# Altium PCB PicoPrint.PcbDoc (part 3 of 3) (continued)
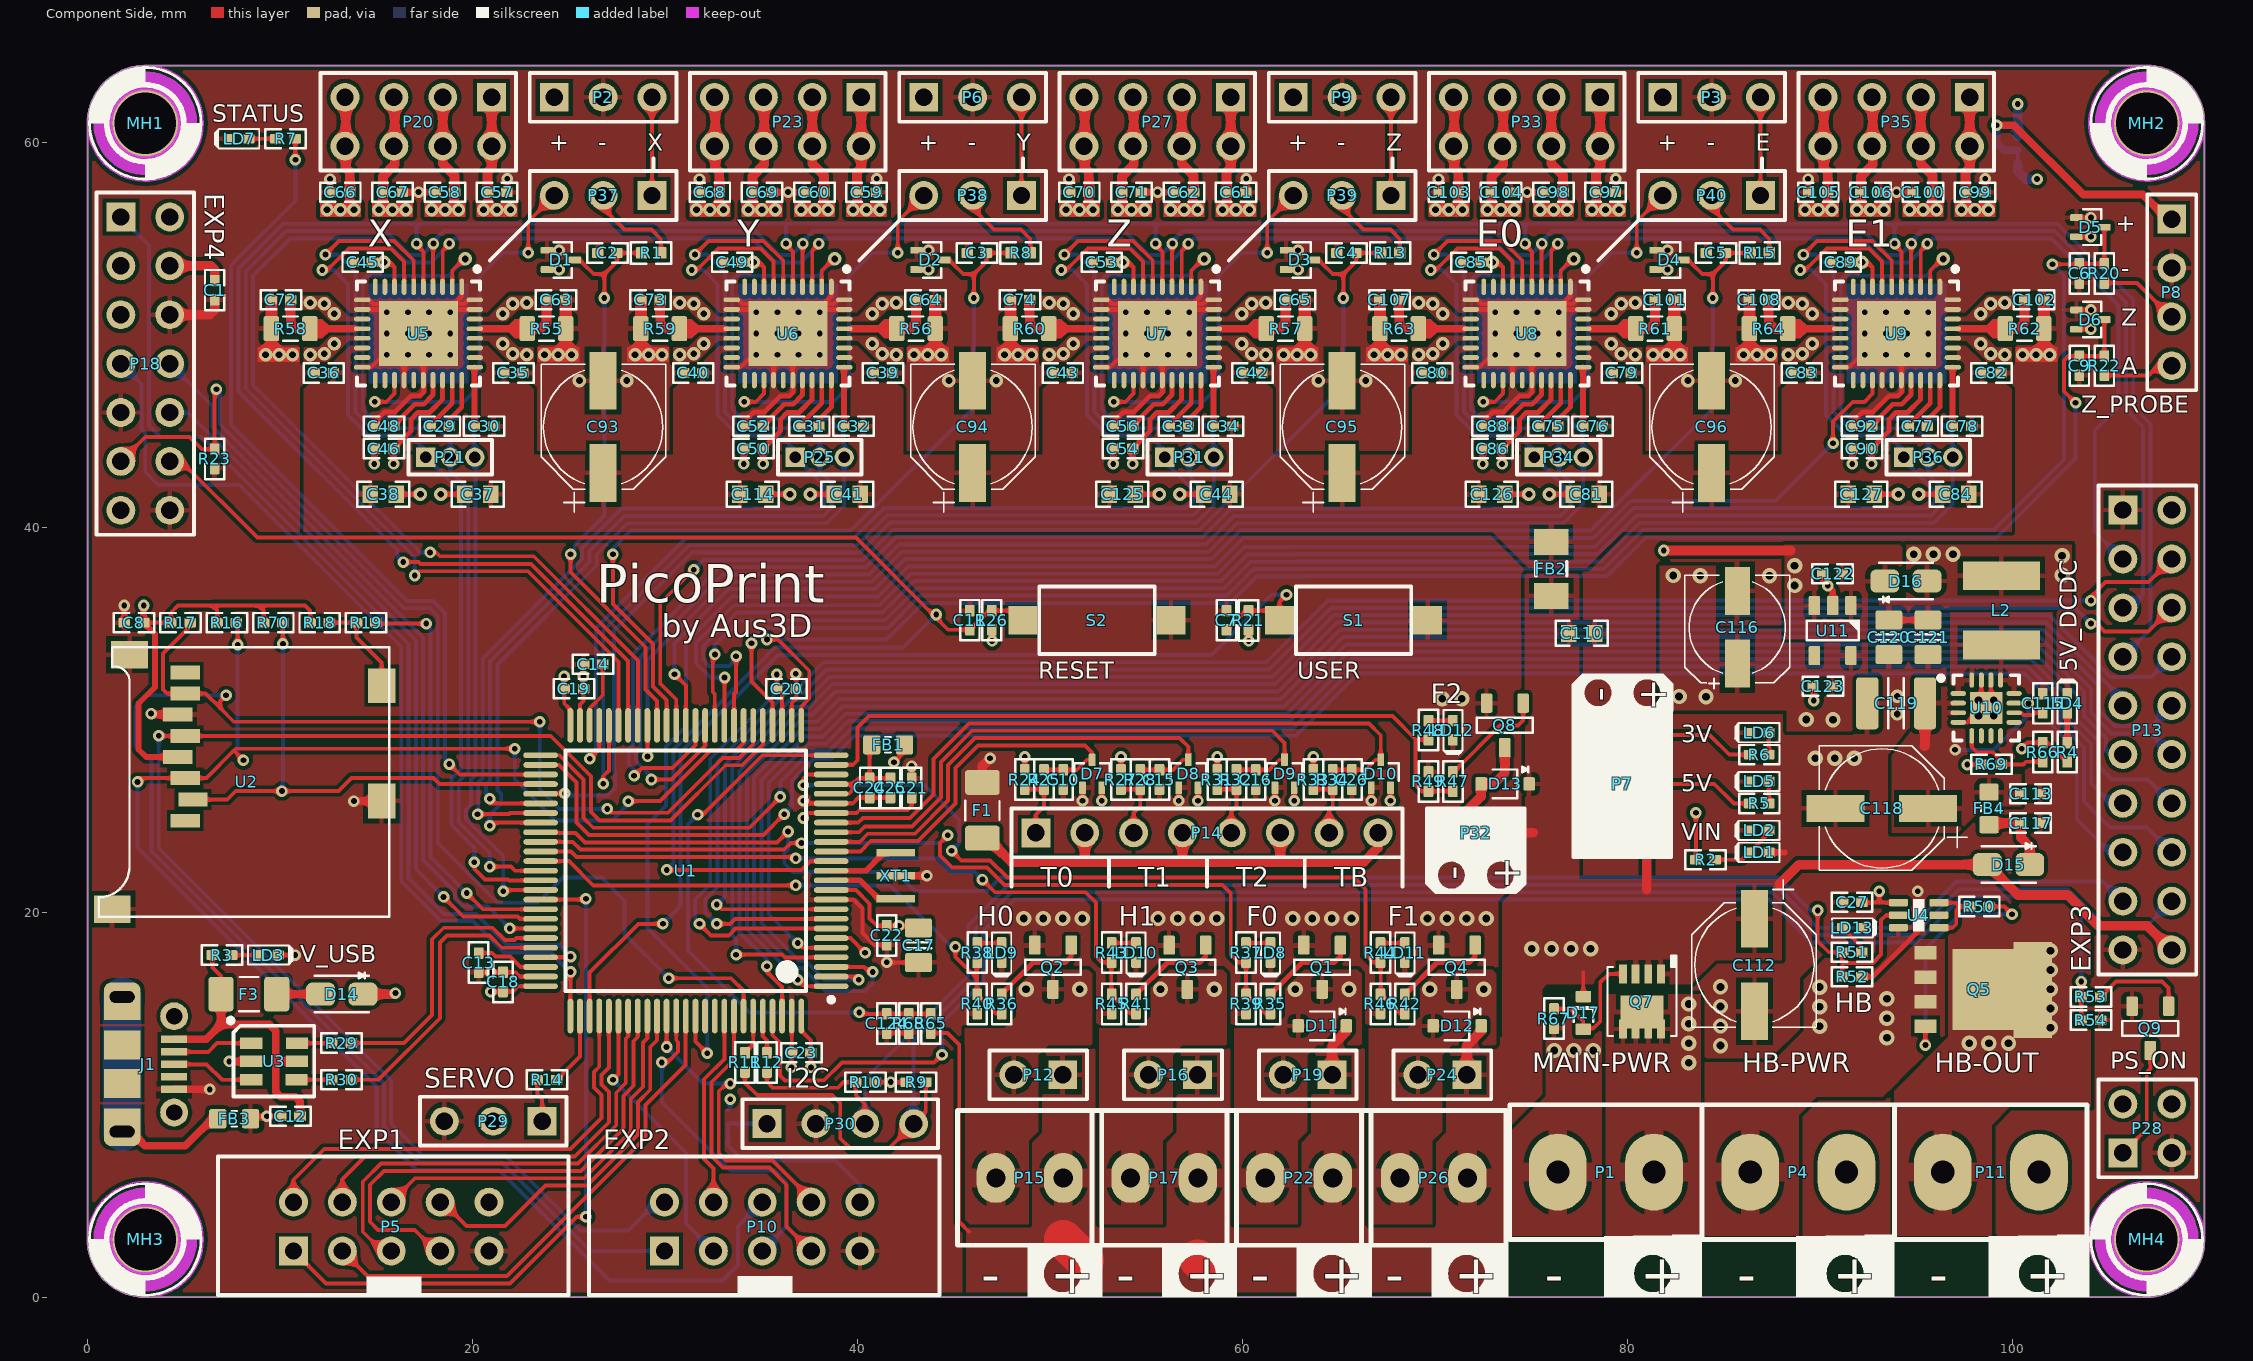
[diagram p0: Component Side view]
## Nets (pads, with @x,y where several pads share a name; then routed paths per layer and width w, separated by ;. In a path a pad name is that pad's centre, name@x,y a point inside that pad or via, vN(x,y) a via of type N, cw(c..) or ccw(c..) an arc to the next point about the centre after c; other vN are vias at no path point) (continued)
copper on no net: | length 0.7
  Solder Side w0.2: 100.3,58.9 100.3,59.6

## Polygon pours and split planes (outlines as drawn)
+5V on Power Plane "+5V_L03_P824" (solid, pour order 828): 94.3,40.8 88.2,40.8 88.2,31.1 94.3,31.1
+5V_DCDC on Power Plane "+5V_DCDC_L03_P822" (solid, pour order 826): 94.5,39.1 94.5,35.8 103.1,35.8 103.1,39.1
V_BED on Power Plane "V_BED_L03_P802" (solid, pour order 804): 88.915,10.026 93.868,10.026 93.868,4.438 94.503,3.803 98.44,3.803 99.075,4.438 99.075,10.026 103.774,10.026 103.774,0 88.915,0
+3V3 on Power Plane "+3V3_L03_P826" (solid, pour order 830): 0,0 0,64 110,64 110,0
HEATED_BED on Power Plane "HEATED_BED_L01_P806" (solid, remove dead copper, pour order 816): 88.915,25.541 88.915,3.168 99.075,3.168 98.948,3.295 98.948,10 104,10 104,25.541
GND on Component Side "GND_L01_P816" (solid, pour order 1026): 0,0 0,64 110,64 110,0
V_MOT on Component Side "V_MOT_L01_P1024" (solid, pour order 1024): 11.225,43.775 11.225,39.775 99.975,39.775 99.975,43.775
V_MOT on Component Side "V_MOT_L01_P960" (solid, pour order 960): 20.358,49.45 20.9,49.45 23.175,47.175 23.175,39.875 20.358,39.875
V_MOT on Component Side "V_MOT_L01_P862" (solid, pour order 862): 14.475,49.45 13.5,49.45 11.225,47.175 11.225,39.875 14.5,39.875
X_MOT_2B on Component Side "X_MOT_2B_L01_P860" (solid, pour order 860): 14.1,49.95 12.625,49.95 12.025,49.35 11.225,49.35 11.225,48.6 12.475,48.6 13.575,49.7 14.1,49.7
X_MOT_2A on Component Side "X_MOT_2A_L01_P850" (solid, pour order 850): 14.1,50.7 12.625,50.7 12.025,51.3 11.15,51.3 11.15,52.05 12.475,52.05 13.575,50.95 14.1,50.95
X_MOT_1B on Component Side "X_MOT_1B_L01_P848" (solid, pour order 848): 20.3,50.7 21.775,50.7 22.375,51.3 23.25,51.3 23.25,52.05 21.925,52.05 20.825,50.95 20.3,50.95
X_MOT_1A on Component Side "X_MOT_1A_L01_P844" (solid, pour order 844): 20.3,49.95 21.775,49.95 22.375,49.35 23.175,49.35 23.175,48.6 21.925,48.6 20.825,49.7 20.3,49.7
+3V3 on Component Side "+3V3_L01_P820" (solid, pour order 824): 92.5,34 88,34 88,34.7 84.6,34.7 84.6,38 81.7,38 81.7,30.5 88.3,30.5 88.3,29.4 92.5,29.4
+5V on Component Side "+5V_L01_P818" (solid, pour order 822): 94.3,39.1 88.2,39.1 88.2,34.2 92.5,34.2 92.5,36.4 94.3,36.4
+5V_DCDC on Component Side "+5V_DCDC_L01_P816" (solid, pour order 820): 103.104,35.9 103.104,39.1 94.5,39.1 94.5,36.3 93.1,36.3 93.1,35 96.7,35 96.7,35.9
NetC115_2 on Component Side "NETC115_2_L01_P812" (solid, pour order 814): 96.789,31.108 96.789,35.6 102.123,35.6 102.123,31.108
V_REG on Component Side "REG_VCC_L01_P814" (solid, pour order 818): 94.941,31.723 94.941,29.623 93.741,28.123 93.741,24.123 97.17,24.123 98.567,25.52 100.472,25.52 100.472,27.171 97.678,27.171 97.678,31.723
HEATED_BED on Component Side "HEATED_BED_L01_P806" (solid, pour order 808): 96.696,20.5 96.696,13.523 93.868,10.695 93.868,3.168 99.075,3.168 98.948,3.295 98.948,8.948 99.885,9.885 104.1,9.885 104.1,20.5
HB_GND on Component Side "HB_GND_L01_P808" (solid, pour order 812): 83.962,3.2 83.962,12.2 87.533,12.2 89.169,13.836 89.169,16.503 91.266,18.6 98.059,18.6 98.059,11.55 94.434,11.55 93.291,10.407 89.866,10.407 88.915,9.456 88.915,3.2
V_IN on Component Side "V_IN_L01_P796" (solid, pour order 798): 78.882,15.741 78.882,3.168 83.835,3.168 83.835,15.741
V_MOT on Component Side "V_MOT_L01_P794" (solid, pour order 796): 73.028,40.252 72.791,39.981 74.872,37.9 77.915,37.9 80.267,40.252
V_MAIN on Component Side "V_MAIN_L01_P790" (solid, pour order 794): 45.65,13.495 45.65,-0.005 73.645,-0.005 73.65,8.604 75.58,10.534 75.58,15.995 75.834,16.249 83.327,16.249 84.597,17.519 88.026,17.519 88.026,21.71 74.691,21.71 73.5,20.519 73.5,13.495
FAN0 on Component Side "FAN0_L01_P738" (solid, pour order 756): 62.88,3.803 59.578,3.803 59.578,13.963 61.61,13.963 62.245,14.598 62.245,17.018 65.982,17.018 66.2,16.8 66.2,13.081 63.896,13.081 63.388,12.573 63.388,8.629 62.88,8.121
V_MAIN on Component Side "V_MAIN_L01_P830" (solid, pour order 840): 74.691,21.71 74.7,21.719 74.689,37.6 77.6,37.6 77.504,37.504 77.504,21.71
HEATER1 on Component Side "HEATER1_L01_P756" (solid, pour order 772): 55.88,3.803 52.578,3.803 52.578,13.963 54.61,13.963 55.245,14.598 55.245,17.018 58.982,17.018 59.2,16.8 59.2,13.081 56.896,13.081 56.388,12.573 56.388,8.629 55.88,8.121
HEATER0 on Component Side "HEATER0_L01_P776" (solid, pour order 780): 48.895,3.803 45.593,3.803 45.593,13.963 47.625,13.963 48.26,14.598 48.26,17.018 51.997,17.018 52.215,16.8 52.215,13.081 49.911,13.081 49.403,12.573 49.403,8.629 48.895,8.121
FAN1 on Component Side "FAN1_L01_P772" (solid, pour order 776): 69.88,3.803 66.578,3.803 66.578,13.963 68.61,13.963 69.245,14.598 69.245,17.018 72.982,17.018 73.2,16.8 73.2,13.081 70.896,13.081 70.388,12.573 70.388,8.629 69.88,8.121
Y_MOT_1A on Component Side "Y_MOT_1A_L01_P962" (solid, pour order 962): 39.5,49.95 40.975,49.95 41.575,49.35 42.375,49.35 42.375,48.6 41.125,48.6 40.025,49.7 39.5,49.7
Y_MOT_1B on Component Side "Y_MOT_1B_L01_P964" (solid, pour order 964): 39.5,50.7 40.975,50.7 41.575,51.3 42.45,51.3 42.45,52.05 41.125,52.05 40.025,50.95 39.5,50.95
Y_MOT_2A on Component Side "Y_MOT_2A_L01_P966" (solid, pour order 966): 33.3,50.7 31.825,50.7 31.225,51.3 30.35,51.3 30.35,52.05 31.675,52.05 32.775,50.95 33.3,50.95
Y_MOT_2B on Component Side "Y_MOT_2B_L01_P968" (solid, pour order 968): 33.3,49.95 31.825,49.95 31.225,49.35 30.425,49.35 30.425,48.6 31.675,48.6 32.775,49.7 33.3,49.7
V_MOT on Component Side "V_MOT_L01_P970" (solid, pour order 970): 33.675,49.45 32.7,49.45 30.425,47.175 30.425,39.875 33.7,39.875
V_MOT on Component Side "V_MOT_L01_P972" (solid, pour order 972): 39.558,49.45 40.1,49.45 42.375,47.175 42.375,39.875 39.558,39.875
Z_MOT_1A on Component Side "Z_MOT_1A_L01_P974" (solid, pour order 974): 58.7,49.95 60.175,49.95 60.775,49.35 61.575,49.35 61.575,48.6 60.325,48.6 59.225,49.7 58.7,49.7
Z_MOT_1B on Component Side "Z_MOT_1B_L01_P976" (solid, pour order 976): 58.7,50.7 60.175,50.7 60.775,51.3 61.65,51.3 61.65,52.05 60.325,52.05 59.225,50.95 58.7,50.95
Z_MOT_2A on Component Side "Z_MOT_2A_L01_P978" (solid, pour order 978): 52.5,50.7 51.025,50.7 50.425,51.3 49.55,51.3 49.55,52.05 50.875,52.05 51.975,50.95 52.5,50.95
Z_MOT_2B on Component Side "Z_MOT_2B_L01_P980" (solid, pour order 980): 52.5,49.95 51.025,49.95 50.425,49.35 49.625,49.35 49.625,48.6 50.875,48.6 51.975,49.7 52.5,49.7
V_MOT on Component Side "V_MOT_L01_P982" (solid, pour order 982): 52.875,49.45 51.9,49.45 49.625,47.175 49.625,39.875 52.9,39.875
V_MOT on Component Side "V_MOT_L01_P984" (solid, pour order 984): 58.758,49.45 59.3,49.45 61.575,47.175 61.575,39.875 58.758,39.875
E0_MOT_1A on Component Side "E0_MOT_1A_L01_P986" (solid, pour order 986): 77.9,49.95 79.375,49.95 79.975,49.35 80.775,49.35 80.775,48.6 79.525,48.6 78.425,49.7 77.9,49.7
E0_MOT_1B on Component Side "E0_MOT_1B_L01_P988" (solid, pour order 988): 77.9,50.7 79.375,50.7 79.975,51.3 80.85,51.3 80.85,52.05 79.525,52.05 78.425,50.95 77.9,50.95
E0_MOT_2A on Component Side "E0_MOT_2A_L01_P990" (solid, pour order 990): 71.7,50.7 70.225,50.7 69.625,51.3 68.75,51.3 68.75,52.05 70.075,52.05 71.175,50.95 71.7,50.95
E0_MOT_2B on Component Side "E0_MOT_2B_L01_P992" (solid, pour order 992): 71.7,49.95 70.225,49.95 69.625,49.35 68.825,49.35 68.825,48.6 70.075,48.6 71.175,49.7 71.7,49.7
V_MOT on Component Side "V_MOT_L01_P994" (solid, pour order 994): 72.075,49.45 71.1,49.45 68.825,47.175 68.825,39.875 72.1,39.875
V_MOT on Component Side "V_MOT_L01_P996" (solid, pour order 996): 77.958,49.45 78.5,49.45 80.775,47.175 80.775,39.875 77.958,39.875
E1_MOT_1A on Component Side "E1_MOT_1A_L01_P998" (solid, pour order 998): 97.1,49.95 98.575,49.95 99.175,49.35 99.975,49.35 99.975,48.6 98.725,48.6 97.625,49.7 97.1,49.7
E1_MOT_1B on Component Side "E1_MOT_1B_L01_P1000" (solid, pour order 1000): 97.1,50.7 98.575,50.7 99.175,51.3 100.05,51.3 100.05,52.05 98.725,52.05 97.625,50.95 97.1,50.95
E1_MOT_2A on Component Side "E1_MOT_2A_L01_P1002" (solid, pour order 1002): 90.9,50.7 89.425,50.7 88.825,51.3 87.95,51.3 87.95,52.05 89.275,52.05 90.375,50.95 90.9,50.95
E1_MOT_2B on Component Side "E1_MOT_2B_L01_P1018" (solid, pour order 1018): 90.9,49.95 89.425,49.95 88.825,49.35 88.025,49.35 88.025,48.6 89.275,48.6 90.375,49.7 90.9,49.7
V_MOT on Component Side "V_MOT_L01_P1020" (solid, pour order 1020): 91.275,49.45 90.3,49.45 88.025,47.175 88.025,39.875 91.3,39.875
V_MOT on Component Side "V_MOT_L01_P1022" (solid, pour order 1022): 97.158,49.45 97.7,49.45 99.975,47.175 99.975,39.875 97.158,39.875
GND on Solder Side "GND_L02_P828" (solid, pour order 834): 0,0 0,64 110,64 110,0
HB_GND on Solder Side "HB_GND_L04_P804" (solid, remove dead copper, pour order 806): 84,0.255 84,11 84,20.5 100,20.5 100,16.2 94.08,10.28 88.915,10.28 88.915,0.255
V_BED on Solder Side "V_BED_L04_P800" (solid, pour order 802): 88.915,10.026 93.868,10.026 93.868,4.438 94.503,3.803 98.44,3.803 99.075,4.438 99.075,10.026 103.774,10.026 103.774,0 88.915,0
V_IN on Solder Side "V_IN_L04_P798" (solid, pour order 800): 78.882,16.045 78.882,0.2 83.835,0.2 83.835,16.045
HEATER0 on Solder Side "HEATER0_L04_P788" (solid, pour order 790): 48.895,3.803 45.593,3.803 45.593,17.018 52.324,17.018 52.324,13.081 49.911,13.081 49.403,12.573 49.403,8.629 48.895,8.121
HEATER1 on Solder Side "HEATER1_L04_P784" (solid, pour order 788): 55.88,3.803 52.578,3.803 52.578,17.018 59.309,17.018 59.309,13.081 56.896,13.081 56.388,12.573 56.388,8.629 55.88,8.121
FAN1 on Solder Side "FAN1_L04_P782" (solid, pour order 784): 69.88,3.803 66.578,3.803 66.578,17.018 73.309,17.018 73.309,13.081 70.896,13.081 70.388,12.573 70.388,8.629 69.88,8.121
FAN0 on Solder Side "FAN0_L04_P780" (solid, pour order 782): 62.88,3.803 59.578,3.803 59.578,17.018 66.309,17.018 66.309,13.081 63.896,13.081 63.388,12.573 63.388,8.629 62.88,8.121
V_MAIN on Solder Side "V_MAIN_L04_P834" (solid, pour order 832): 45.65,13.495 45.65,-0.005 73.645,-0.005 73.65,8.604 75.58,10.534 75.58,15.995 75.834,16.249 90.2,16.249 90.2,21.71 74.691,21.71 73.5,20.519 73.5,13.495
HEATED_BED on Solder Side "HEATED_BED_L01_P806" (solid, remove dead copper, pour order 738): 98.5,20.9 95.534,17.934 95.534,12.534 93.868,10.8 93.868,3.6 98.948,3.6 98.948,8.948 99.568,9.568 103.774,9.568 103.774,11.4 109.745,11.4 109.745,16.4 103.9,16.4 103.9,20.9
GND on Ground Plane "GND_L02_P828" (solid, pour order 1028): 0,0 0,64 110,64 110,0

## Keep-outs
Keep-Out Layer:
  circle w1: c107,61 r2.2
  circle w1: c3,61 r2.2
  circle w1: c3,3 r2.2
  circle w1: c107,3 r2.2
  circle w0.1: c107,3 r3
  circle w0.1: c3,3 r3
  circle w0.1: c3,61 r3
  circle w0.1: c107,61 r3
  lines w0.1: 0,3 0,61 ; 3,64 107,64 ; 3,0 107,0 ; 110,3 110,61

## Other copper
Component Side:
  region net X_MOT_2B: 13.868,57.375 13.868,57 14.018,56.85 14.193,56.85 14.193,56.15 12.093,56.15 12.093,56.85 13.27,56.85 13.393,56.973 13.393,57.375
  region net X_MOT_2A: 15.118,57.375 15.118,56.975 14.993,56.85 14.792,56.85 14.792,56.15 16.892,56.15 16.892,56.85 15.715,56.85 15.592,56.973 15.592,57.375
  region net NetC72_1: 14.1,50.45 14,50.45 13.95,50.5 12.525,50.5 12.2,50.825 11.55,50.825 11.55,49.825 12.2,49.825 12.525,50.15 13.95,50.15 14,50.2 14.1,50.2
  region net GND: 11,48.6 8.85,48.6 8.85,49.35 8.95,49.35 9.25,49.65 9.25,51.975 9.85,51.975 9.85,49.65 10.15,49.35 11,49.35
  region net X_MOT_1A: 19.3,57.375 19.3,56.975 19.425,56.85 19.626,56.85 19.626,56.15 17.526,56.15 17.526,56.85 18.703,56.85 18.826,56.973 18.826,57.375
  region net X_MOT_1B: 20.55,57.375 20.55,57 20.4,56.85 20.225,56.85 20.225,56.15 22.325,56.15 22.325,56.85 21.148,56.85 21.025,56.973 21.025,57.375
  region net GND: 23.4,48.6 25.55,48.6 25.55,49.35 25.45,49.35 25.15,49.65 25.15,51.975 24.55,51.975 24.55,49.65 24.25,49.35 23.4,49.35
  region net NetC63_1: 20.3,50.45 20.4,50.45 20.45,50.5 21.875,50.5 22.2,50.825 22.85,50.825 22.85,49.825 22.2,49.825 21.875,50.15 20.45,50.15 20.4,50.2 20.3,50.2
  pour cut-out: 73.8,3.2 73.8,0.2 104.028,0.247 104.007,3.2
  pour cut-out: 14.2,44.8 15.6,44.8 15.6,44.6 14.2,44.6
  pour cut-out: 33.4,44.8 34.8,44.8 34.8,44.6 33.4,44.6
  region net NetC64_1: 39.5,50.45 39.6,50.45 39.65,50.5 41.075,50.5 41.4,50.825 42.05,50.825 42.05,49.825 41.4,49.825 41.075,50.15 39.65,50.15 39.6,50.2 39.5,50.2
  region net GND: 42.6,48.6 44.75,48.6 44.75,49.35 44.65,49.35 44.35,49.65 44.35,51.975 43.75,51.975 43.75,49.65 43.45,49.35 42.6,49.35
  region net Y_MOT_1B: 39.75,57.375 39.75,57 39.6,56.85 39.425,56.85 39.425,56.15 41.525,56.15 41.525,56.85 40.348,56.85 40.225,56.973 40.225,57.375
  region net Y_MOT_1A: 38.5,57.375 38.5,56.975 38.625,56.85 38.826,56.85 38.826,56.15 36.726,56.15 36.726,56.85 37.903,56.85 38.026,56.973 38.026,57.375
  region net GND: 30.2,48.6 28.05,48.6 28.05,49.35 28.15,49.35 28.45,49.65 28.45,51.975 29.05,51.975 29.05,49.65 29.35,49.35 30.2,49.35
  region net NetC73_1: 33.3,50.45 33.2,50.45 33.15,50.5 31.725,50.5 31.4,50.825 30.75,50.825 30.75,49.825 31.4,49.825 31.725,50.15 33.15,50.15 33.2,50.2 33.3,50.2
  region net Y_MOT_2A: 34.318,57.375 34.318,56.975 34.193,56.85 33.992,56.85 33.992,56.15 36.092,56.15 36.092,56.85 34.915,56.85 34.792,56.973 34.792,57.375
  region net Y_MOT_2B: 33.068,57.375 33.068,57 33.218,56.85 33.393,56.85 33.393,56.15 31.293,56.15 31.293,56.85 32.47,56.85 32.593,56.973 32.593,57.375
  pour cut-out: 52.6,44.8 54,44.8 54,44.6 52.6,44.6
  region net NetC65_1: 58.7,50.45 58.8,50.45 58.85,50.5 60.275,50.5 60.6,50.825 61.25,50.825 61.25,49.825 60.6,49.825 60.275,50.15 58.85,50.15 58.8,50.2 58.7,50.2
  region net GND: 61.8,48.6 63.95,48.6 63.95,49.35 63.85,49.35 63.55,49.65 63.55,51.975 62.95,51.975 62.95,49.65 62.65,49.35 61.8,49.35
  region net Z_MOT_1B: 58.95,57.375 58.95,57 58.8,56.85 58.625,56.85 58.625,56.15 60.725,56.15 60.725,56.85 59.548,56.85 59.425,56.973 59.425,57.375
  region net Z_MOT_1A: 57.7,57.375 57.7,56.975 57.825,56.85 58.026,56.85 58.026,56.15 55.926,56.15 55.926,56.85 57.103,56.85 57.226,56.973 57.226,57.375
  region net GND: 49.4,48.6 47.25,48.6 47.25,49.35 47.35,49.35 47.65,49.65 47.65,51.975 48.25,51.975 48.25,49.65 48.55,49.35 49.4,49.35
  region net NetC74_1: 52.5,50.45 52.4,50.45 52.35,50.5 50.925,50.5 50.6,50.825 49.95,50.825 49.95,49.825 50.6,49.825 50.925,50.15 52.35,50.15 52.4,50.2 52.5,50.2
  region net Z_MOT_2A: 53.518,57.375 53.518,56.975 53.393,56.85 53.192,56.85 53.192,56.15 55.292,56.15 55.292,56.85 54.115,56.85 53.992,56.973 53.992,57.375
  region net Z_MOT_2B: 52.268,57.375 52.268,57 52.418,56.85 52.593,56.85 52.593,56.15 50.493,56.15 50.493,56.85 51.67,56.85 51.793,56.973 51.793,57.375
  pour cut-out: 71.8,44.8 73.2,44.8 73.2,44.6 71.8,44.6
  region net NetC101_1: 77.9,50.45 78,50.45 78.05,50.5 79.475,50.5 79.8,50.825 80.45,50.825 80.45,49.825 79.8,49.825 79.475,50.15 78.05,50.15 78,50.2 77.9,50.2
  region net GND: 81,48.6 83.15,48.6 83.15,49.35 83.05,49.35 82.75,49.65 82.75,51.975 82.15,51.975 82.15,49.65 81.85,49.35 81,49.35
  region net E0_MOT_1B: 78.15,57.375 78.15,57 78,56.85 77.825,56.85 77.825,56.15 79.925,56.15 79.925,56.85 78.748,56.85 78.625,56.973 78.625,57.375
  region net E0_MOT_1A: 76.9,57.375 76.9,56.975 77.025,56.85 77.226,56.85 77.226,56.15 75.126,56.15 75.126,56.85 76.303,56.85 76.426,56.973 76.426,57.375
  region net GND: 68.6,48.6 66.45,48.6 66.45,49.35 66.55,49.35 66.85,49.65 66.85,51.975 67.45,51.975 67.45,49.65 67.75,49.35 68.6,49.35
  region net NetC107_1: 71.7,50.45 71.6,50.45 71.55,50.5 70.125,50.5 69.8,50.825 69.15,50.825 69.15,49.825 69.8,49.825 70.125,50.15 71.55,50.15 71.6,50.2 71.7,50.2
  region net E0_MOT_2A: 72.718,57.375 72.718,56.975 72.593,56.85 72.392,56.85 72.392,56.15 74.492,56.15 74.492,56.85 73.315,56.85 73.192,56.973 73.192,57.375
  region net E0_MOT_2B: 71.468,57.375 71.468,57 71.618,56.85 71.793,56.85 71.793,56.15 69.693,56.15 69.693,56.85 70.87,56.85 70.993,56.973 70.993,57.375
  pour cut-out: 91,44.8 92.4,44.8 92.4,44.6 91,44.6
  region net NetC102_1: 97.1,50.45 97.2,50.45 97.25,50.5 98.675,50.5 99,50.825 99.65,50.825 99.65,49.825 99,49.825 98.675,50.15 97.25,50.15 97.2,50.2 97.1,50.2
  region net GND: 100.2,48.6 102.35,48.6 102.35,49.35 102.25,49.35 101.95,49.65 101.95,51.975 101.35,51.975 101.35,49.65 101.05,49.35 100.2,49.35
  region net E1_MOT_1B: 97.35,57.375 97.35,57 97.2,56.85 97.025,56.85 97.025,56.15 99.125,56.15 99.125,56.85 97.948,56.85 97.825,56.973 97.825,57.375
  region net E1_MOT_1A: 96.1,57.375 96.1,56.975 96.225,56.85 96.426,56.85 96.426,56.15 94.326,56.15 94.326,56.85 95.503,56.85 95.626,56.973 95.626,57.375
  region net GND: 87.8,48.6 85.65,48.6 85.65,49.35 85.75,49.35 86.05,49.65 86.05,51.975 86.65,51.975 86.65,49.65 86.95,49.35 87.8,49.35
  region net NetC108_1: 90.9,50.45 90.8,50.45 90.75,50.5 89.325,50.5 89,50.825 88.35,50.825 88.35,49.825 89,49.825 89.325,50.15 90.75,50.15 90.8,50.2 90.9,50.2
  region net E1_MOT_2A: 91.918,57.375 91.918,56.975 91.793,56.85 91.592,56.85 91.592,56.15 93.692,56.15 93.692,56.85 92.515,56.85 92.392,56.973 92.392,57.375
  region net E1_MOT_2B: 90.668,57.375 90.668,57 90.818,56.85 90.993,56.85 90.993,56.15 88.893,56.15 88.893,56.85 90.07,56.85 90.193,56.973 90.193,57.375
Power Plane:
  region net X_MOT_2B: 13.3,49.425 13.3,50.475 11.65,50.475 10.975,51.15 10.975,51.95 11.3,52.275 13,52.275 13.7,52.975 13.7,55.675 14.2,56.175 14.2,56.875 12.1,56.875 12.1,56.175 12.9,55.375 12.9,53.375 12.4,52.875 11.1,52.875 10.3,52.075 10.3,50.875 11.225,49.95 11.225,48.6 12.475,48.6
  region net X_MOT_2A: 13.3,50.7 11.775,50.7 11.175,51.3 11.175,51.85 11.4,52.075 13.3,52.075 14,52.775 14,54.125 14.8,54.925 14.8,56.875 16.9,56.875 16.9,56.075 14.7,53.875 14.7,52.1
  region net X_MOT_1A: 17.525,56.85 17.525,56.15 18.675,56.15 20.175,54.65 20.175,50.1 21.675,48.6 23.2,48.6 23.2,50.5 21.225,50.5 21.025,50.7 21.025,55.05 19.625,56.45 19.625,56.85
  region net X_MOT_1B: 20.225,56.85 22.325,56.85 22.325,52.975 23.2,52.1 23.2,50.7 21.775,50.7 21.325,50.7 21.225,50.8 21.225,51.35 21.225,55.15 20.225,56.15
  region net Y_MOT_1B: 39.425,56.85 41.525,56.85 41.525,52.975 42.4,52.1 42.4,50.7 40.975,50.7 40.525,50.7 40.425,50.8 40.425,51.35 40.425,55.15 39.425,56.15
  region net Y_MOT_1A: 36.725,56.85 36.725,56.15 37.875,56.15 39.375,54.65 39.375,50.1 40.875,48.6 42.4,48.6 42.4,50.5 40.425,50.5 40.225,50.7 40.225,55.05 38.825,56.45 38.825,56.85
  region net Y_MOT_2A: 32.5,50.7 30.975,50.7 30.375,51.3 30.375,51.85 30.6,52.075 32.5,52.075 33.2,52.775 33.2,54.125 34,54.925 34,56.875 36.1,56.875 36.1,56.075 33.9,53.875 33.9,52.1
  region net Y_MOT_2B: 32.5,49.425 32.5,50.475 30.85,50.475 30.175,51.15 30.175,51.95 30.5,52.275 32.2,52.275 32.9,52.975 32.9,55.675 33.4,56.175 33.4,56.875 31.3,56.875 31.3,56.175 32.1,55.375 32.1,53.375 31.6,52.875 30.3,52.875 29.5,52.075 29.5,50.875 30.425,49.95 30.425,48.6 31.675,48.6
  region net Z_MOT_1B: 58.625,56.85 60.725,56.85 60.725,52.975 61.6,52.1 61.6,50.7 60.175,50.7 59.725,50.7 59.625,50.8 59.625,51.35 59.625,55.15 58.625,56.15
  region net Z_MOT_1A: 55.925,56.85 55.925,56.15 57.075,56.15 58.575,54.65 58.575,50.1 60.075,48.6 61.6,48.6 61.6,50.5 59.625,50.5 59.425,50.7 59.425,55.05 58.025,56.45 58.025,56.85
  region net Z_MOT_2A: 51.7,50.7 50.175,50.7 49.575,51.3 49.575,51.85 49.8,52.075 51.7,52.075 52.4,52.775 52.4,54.125 53.2,54.925 53.2,56.875 55.3,56.875 55.3,56.075 53.1,53.875 53.1,52.1
  region net Z_MOT_2B: 51.7,49.425 51.7,50.475 50.05,50.475 49.375,51.15 49.375,51.95 49.7,52.275 51.4,52.275 52.1,52.975 52.1,55.675 52.6,56.175 52.6,56.875 50.5,56.875 50.5,56.175 51.3,55.375 51.3,53.375 50.8,52.875 49.5,52.875 48.7,52.075 48.7,50.875 49.625,49.95 49.625,48.6 50.875,48.6
  region net E0_MOT_1B: 77.825,56.85 79.925,56.85 79.925,52.975 80.8,52.1 80.8,50.7 79.375,50.7 78.925,50.7 78.825,50.8 78.825,51.35 78.825,55.15 77.825,56.15
  region net E0_MOT_1A: 75.125,56.85 75.125,56.15 76.275,56.15 77.775,54.65 77.775,50.1 79.275,48.6 80.8,48.6 80.8,50.5 78.825,50.5 78.625,50.7 78.625,55.05 77.225,56.45 77.225,56.85
  region net E0_MOT_2A: 70.9,50.7 69.375,50.7 68.775,51.3 68.775,51.85 69,52.075 70.9,52.075 71.6,52.775 71.6,54.125 72.4,54.925 72.4,56.875 74.5,56.875 74.5,56.075 72.3,53.875 72.3,52.1
  region net E0_MOT_2B: 70.9,49.425 70.9,50.475 69.25,50.475 68.575,51.15 68.575,51.95 68.9,52.275 70.6,52.275 71.3,52.975 71.3,55.675 71.8,56.175 71.8,56.875 69.7,56.875 69.7,56.175 70.5,55.375 70.5,53.375 70,52.875 68.7,52.875 67.9,52.075 67.9,50.875 68.825,49.95 68.825,48.6 70.075,48.6
  region net E1_MOT_1B: 97.025,56.85 99.125,56.85 99.125,52.975 100,52.1 100,50.7 98.575,50.7 98.125,50.7 98.025,50.8 98.025,51.35 98.025,55.15 97.025,56.15
  region net E1_MOT_1A: 94.325,56.85 94.325,56.15 95.475,56.15 96.975,54.65 96.975,50.1 98.475,48.6 100,48.6 100,50.5 98.025,50.5 97.825,50.7 97.825,55.05 96.425,56.45 96.425,56.85
  region net E1_MOT_2A: 90.1,50.7 88.575,50.7 87.975,51.3 87.975,51.85 88.2,52.075 90.1,52.075 90.8,52.775 90.8,54.125 91.6,54.925 91.6,56.875 93.7,56.875 93.7,56.075 91.5,53.875 91.5,52.1
  region net E1_MOT_2B: 90.1,49.425 90.1,50.475 88.45,50.475 87.775,51.15 87.775,51.95 88.1,52.275 89.8,52.275 90.5,52.975 90.5,55.675 91,56.175 91,56.875 88.9,56.875 88.9,56.175 89.7,55.375 89.7,53.375 89.2,52.875 87.9,52.875 87.1,52.075 87.1,50.875 88.025,49.95 88.025,48.6 89.275,48.6
Solder Side:
  rectangle net GND: 14.6,47.475 19.8,52.675
  rectangle net GND: 33.8,47.475 39,52.675
  rectangle net GND: 53,47.475 58.2,52.675
  rectangle net GND: 72.2,47.475 77.4,52.675
  rectangle net GND: 91.4,47.475 96.6,52.675

## Silkscreen, mask and mechanical layers (free items; w line width, h text height)
Top Overlay:
  drawing of 132 lines, arcs and shapes, not listed
  text "STATUS" at 6.477,61.087 h0.9
  text "+" at 24.004,59.576 h0.9
  text "-" at 26.544,59.576 h0.9
  text "X" at 29.084,59.576 h0.9
  text "+" at 43.204,59.576 h0.9
  text "-" at 45.744,59.576 h0.9
  text "Y" at 48.284,59.576 h0.9
  text "+" at 62.404,59.576 h0.9
  text "-" at 64.944,59.576 h0.9
  text "Z" at 67.484,59.576 h0.9
  text "+" at 81.604,59.576 h0.9
  text "-" at 84.144,59.576 h0.9
  text "E" at 86.684,59.576 h0.9
  text "EXP4" at 6.1,57.375 h1 r270
  text "+" at 105.526,56.266 h0.9 r270
  text "X" at 14.55,54.582 h1.4
  text "Y" at 33.75,54.582 h1.4
  text "Z" at 52.95,54.582 h1.4
  text "E0" at 72.15,54.582 h1.4
  text "E1" at 91.35,54.582 h1.4
  text "-" at 105.676,53.03 h0.9
  text "Z" at 105.676,50.49 h0.9
  text "A" at 105.676,47.95 h0.9
  text "Z_PROBE" at 103.6,45.97 h0.9
  text "PicoPrint" at 26.446,36.088 h2
  text "by Aus3D" at 29.845,34.29 h1.2
  text "5V_DCDC" at 103.351,32.512 h0.9 r90
  text "RESET" at 49.403,32.131 h0.9
  text "USER" at 62.865,32.131 h0.9
  text "-" at 79.235,30.928 h1.5 r90
  text "F2" at 69.805,30.861 h1
  text "+" at 80.53,30.68 h1.5
  text "3V" at 82.804,28.829 h0.9
  text "5V" at 82.804,26.289 h0.9
  text "VIN" at 82.804,23.749 h0.9
  text "+" at 72.91,22.66 h1.5 r180
  text "-" at 71.615,22.412 h1.5 r90
  text "T0" at 49.53,21.336 h1
  text "T1" at 54.61,21.336 h1
  text "T2" at 59.69,21.336 h1
  text "TB" at 64.77,21.336 h1
  text "H0" at 46.228,19.304 h1
  text "H1" at 53.594,19.304 h1
  text "F0" at 60.198,19.304 h1
  text "F1" at 67.564,19.304 h1
  text "V_USB" at 11.049,17.399 h0.9
  text "EXP3" at 104.1,16.875 h1 r90
  text "HB" at 90.8,14.8 h1
  text "PS_ON" at 105.1,11.875 h0.9
  text "MAIN-PWR" at 75.065,11.7 h1
  text "HB-PWR" at 85.981,11.7 h1
  text "HB-OUT" at 95.981,11.7 h1
  text "SERVO" at 17.5,10.875 h1
  text "I2C" at 36.3,10.875 h1
  text "EXP1" at 13,7.7 h1
  text "EXP2" at 26.8,7.675 h1
  text "-" at 46.443,0.209 h2
  text "+" at 50.023,0.209 h2
  text "-" at 53.443,0.209 h2
  text "+" at 57.023,0.209 h2
  text "-" at 60.443,0.209 h2
  text "+" at 64.023,0.209 h2
  text "-" at 67.443,0.209 h2
  text "+" at 71.023,0.209 h2
  text "-" at 75.711,0.209 h2
  text "+" at 80.691,0.209 h2
  text "-" at 85.711,0.209 h2
  text "+" at 90.691,0.209 h2
  text "-" at 95.711,0.209 h2
  text "+" at 100.691,0.209 h2
Bottom Overlay:
  text "3V" at 102.226,60.183 h0.6
  text "ES" at 102.226,59.365 h0.6
  text "5V" at 102.226,58.483 h0.6
  text "3V" at 32.4,9.6 h0.6
  text "I2C" at 32.4,8.782 h0.6
  text "5V" at 32.4,7.9 h0.6
  text "v0.3c" at 83,1 h1
  text "PicoPrint" at 101,1 h2
Bottom Solder:
  rectangle: 14.6,47.475 19.8,52.675
  rectangle: 33.8,47.475 39,52.675
  rectangle: 53,47.475 58.2,52.675
  rectangle: 72.2,47.475 77.4,52.675
  rectangle: 91.4,47.475 96.6,52.675
Mechanical 4:
  the board outline again, w0.1

## Dimensions
3,3 to 3,61 on Mechanical 2
3,61 to 107,61 on Mechanical 2
0,61 to 110,61 on Mechanical 2
3,64 to 3,0 on Mechanical 2